# KiCad board Scan_Head_Set-Relay_board.kicad_pcb (continued)
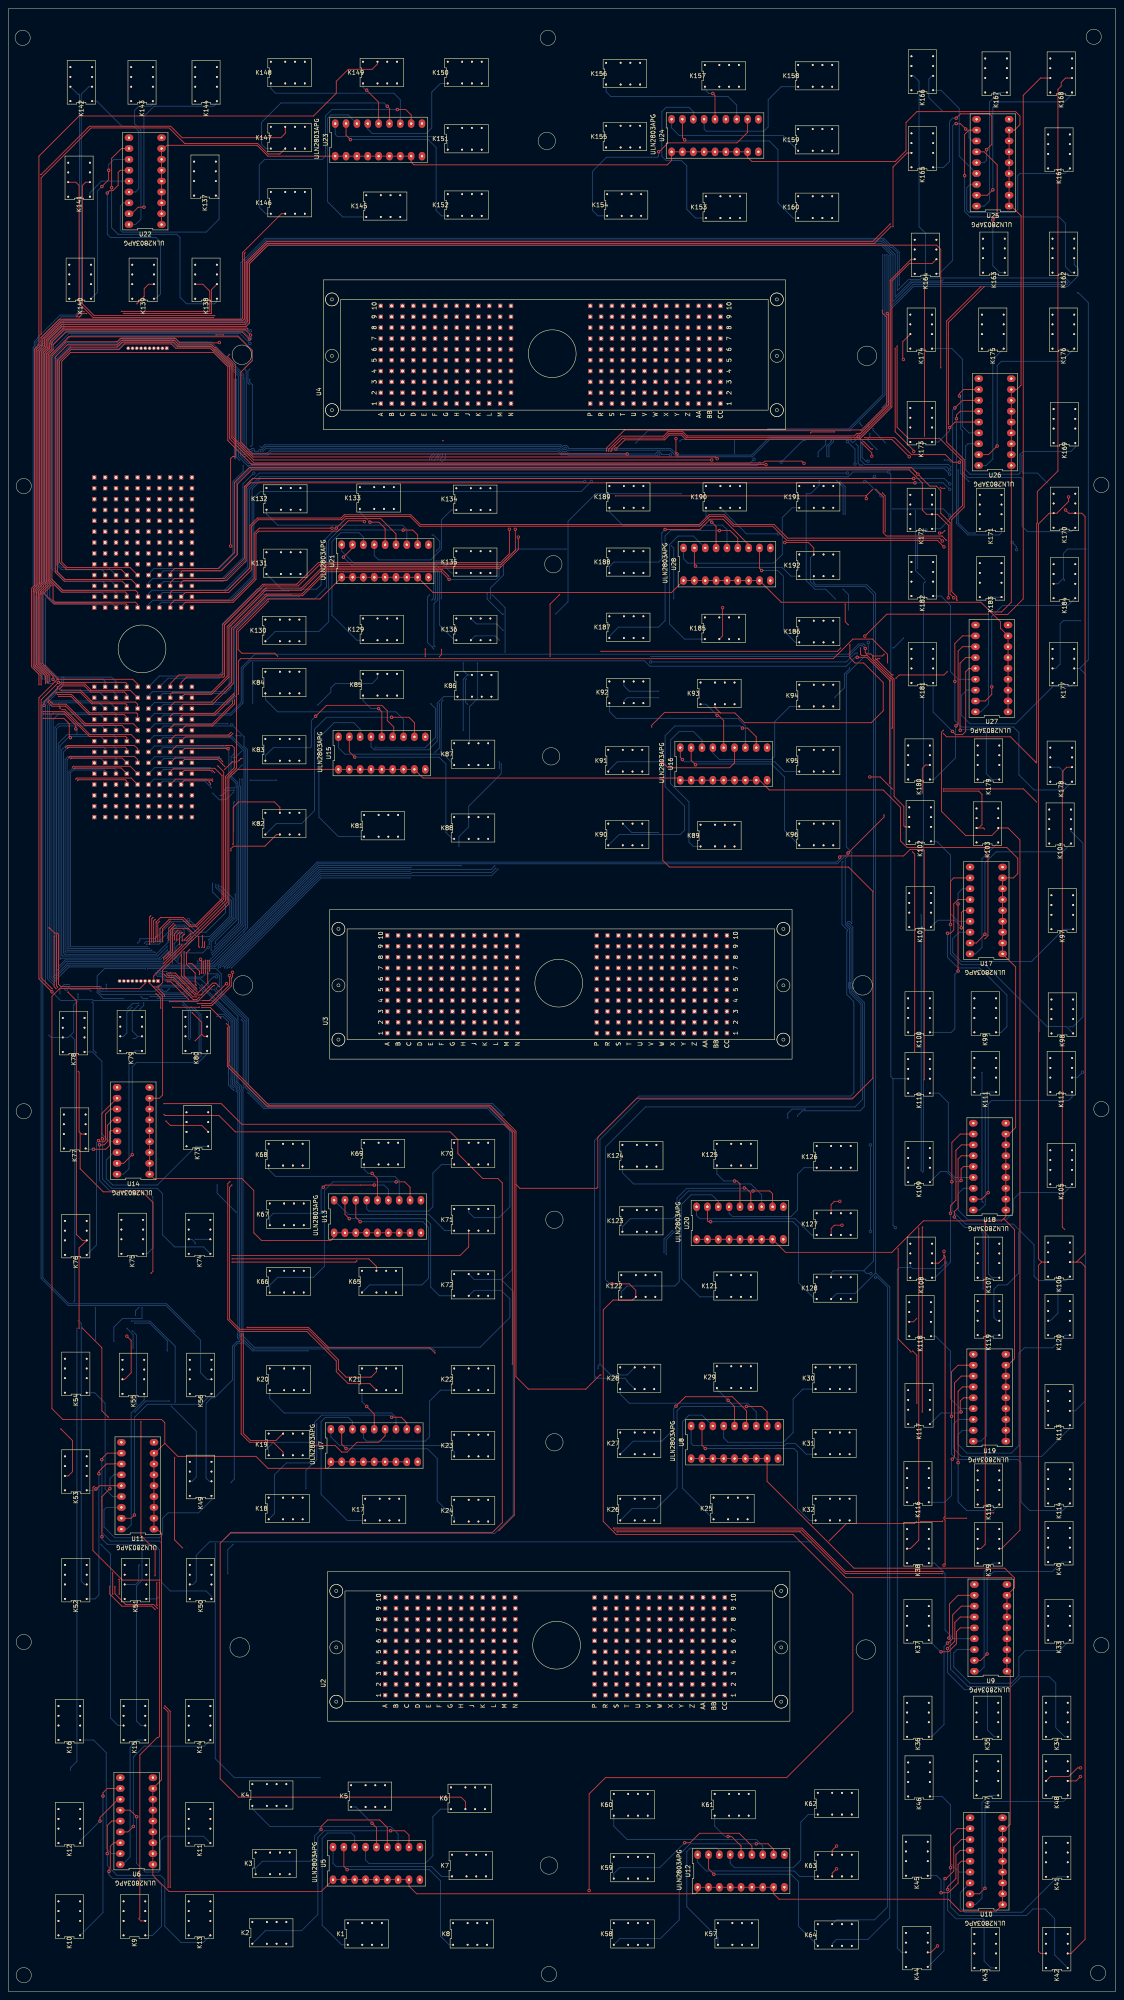
[diagram p0: board, top side]
## Routing (per net, layer and track width the routed paths; a pad name or vN(x,y) marks a point on that pad's centre or on a via; arc(x,y) is an arc through that point) (continued)
IO22: length 518.4
  Top w0.2: v4(52.33,171.45) 84.33,171.45 86.11,169.67 K65.21 ; U1.Z3 39.12,283.72 v7(47.75,283.72)
  +12V w0.2: v1(99.57,301.75) 99.57,292.1 97.54,290.07 73.15,290.07 69.6,286.51 69.6,283.97 56.9,283.97 v1(55.82,285.05) ; v1(37.34,229.87) 36.47,230.74 28.96,230.74 28.91,230.69 21.28,230.69 20.57,231.39 21.84,232.66 21.84,234.96 v1(22.09,235.2) ; v4(52.33,171.45) 49.9,171.45 v1(49.28,172.07)
  AGND w0.2: v1(37.34,229.87) 43.43,229.87 v2(43.62,230.06) ; v1(22.09,235.2) 22.09,235.34 21.78,235.65 15.45,235.65 11.94,239.16 11.94,243.14 16.45,247.65 29.43,247.65 v2(31.79,245.29) ; v2(45.05,218.87) 49.28,214.65 v1(49.28,172.07) 49.25,172.04 49.25,54.38 52.72,50.91 70.25,50.91 72.45,48.71 72.45,18.48 76.96,13.97 80.77,13.97 K1.21 ; v7(47.75,283.72) 47.88,283.72 50.62,280.98 ; K129.21 88.65,319.02 94.23,319.02 98.26,315 98.26,303.06 v1(99.57,301.75) ; 50.62,280.98 50.62,261.18 v2(48.51,259.08) ; 50.62,280.98 50.62,281.07 v2(50.57,281.12) ; v2(52.84,281.69) 52.84,283.37 54.53,285.05 v1(55.82,285.05)
  Bottom w0.2: v2(52.84,281.69) 51.13,281.69 v2(50.57,281.12) ; v2(48.51,259.08) 48.51,258.37 51.78,255.1 51.78,251.61 47.02,246.86 44.03,246.86 41.31,249.57 39.04,249.57 35.23,245.77 35.23,245.69 32.2,245.69 v2(31.79,245.29) ; v2(43.62,230.06) 43.62,229.99 45.05,228.56 v2(45.05,218.87)
IO23: length 617
  Top w0.2: v4(36.38,205.23) 36.62,204.99 49.26,204.99 53.09,201.17 103.38,201.17 105.16,199.39 105.16,196.09 K70.11 111,190.25 114.55,190.25 115.57,189.23 115.57,109.73 113.28,107.44 52.07,107.44 49.53,104.9 49.53,49.78 53.85,45.47 105.92,45.47 106.93,44.45 K6.11 ; v4(97.54,314.2) v4(97.54,312.42)
  +12V w0.2: v1(34.8,224.79) 34.8,206.81 v4(36.38,205.23) ; v1(66.04,284.42) 66.09,284.37 69.09,284.37 69.09,286.57 72.99,290.47 96.92,290.47 98.81,292.35 98.81,300.99 97.54,302.26 v4(97.54,312.42) ; v1(27.94,232.16) v1(35.31,232.16) ; v4(97.54,314.2) 98.3,314.96 98.3,325.37 v1(101.6,328.68)
  AGND w0.2: v2(47.75,259.33) 49.78,261.37 49.78,279.65 v2(49.53,279.91) 49.28,279.91 v2(47.5,281.69) ; v1(35.31,232.16) 35.31,225.3 v1(34.8,224.79) ; v2(62.74,283.46) 63.7,284.42 v1(66.04,284.42) ; K134.11 107.19,345.69 104.9,345.69 101.6,342.39 v1(101.6,328.68) ; 56.57,283.46 v2(56.57,283.46) 55.51,283.46 53.19,281.14 v2(52.84,281.14) ; v2(30.23,245.36) 14.73,245.36 12.45,243.08 12.45,240.79 16.26,236.98 21.59,236.98 v2(22.86,235.71) ; v2(22.86,234.53) 22.86,233.17 23.62,232.41 25.91,232.41 26.67,233.17 26.92,233.17 v1(27.94,232.16)
  Bottom w0.2: v2(56.57,283.46) 56.57,283.46 v2(62.74,283.46) ; v2(52.84,281.14) 51.22,281.14 49.99,279.91 v2(49.53,279.91) ; v2(47.5,281.69) 45.94,283.25 36.11,283.25 U1.Z4 ; v2(22.86,235.71) v2(22.86,234.53) ; v2(47.75,259.33) 47.75,257.3 50.8,254.25 50.8,252.48 46.23,247.9 44.01,247.9 41.56,250.35 38.26,250.35 34.29,246.38 30.73,246.38 30.73,245.87 v2(30.23,245.36)
IO24: length 515.2
  Top w0.2: v8(46.99,283.01) 47.24,282.76 v4(47.24,282.45) ; v4(81.53,171) 81.22,170.69 v4(52.33,170.69)
  +12V w0.2: v1(82.04,172.97) 81.53,172.47 v4(81.53,171) ; v1(56.29,203.96) 56.29,209.71 v1(56.39,209.8) ; v1(35.55,251.98) 35.82,252.25 37.82,252.25 39.49,253.93 41.16,253.93 47.39,260.16 47.39,261.37 47.34,261.42 47.34,282.35 v4(47.24,282.45) ; v1(48.38,114.05) 52.38,118.05 52.38,170.64 v4(52.33,170.69) ; v1(32.77,245.68) 12.5,245.68 11.43,244.6 11.43,238.25 12.95,236.73 21.84,236.73 22.61,235.97 22.61,234.19 23.37,233.43 27.43,233.43 27.8,233.06 35.16,233.06 v1(35.81,232.41)
  AGND w0.2: v1(35.81,232.41) 35.81,230.54 37,229.36 47.53,229.36 48.7,228.19 v2(48.75,228.19) ; v1(56.39,209.8) 55.88,209.8 54.76,210.92 v2(52.71,210.92) ; v1(32.77,245.68) 34.87,245.68 35.57,246.38 35.57,246.89 35.52,246.94 35.52,251.95 v1(35.55,251.98) ; v1(56.29,203.96) 105.41,203.96 107.7,201.68 K70.21 109.47,196.85 115.79,196.85 117.31,195.33 117.31,175.22 115.06,172.97 v1(82.04,172.97) ; v2(48.38,104.77) v1(48.38,114.05) ; v2(72.9,50.04) 110.49,50.04 115.06,45.47 109.22,45.47 K6.21
  Bottom w0.2: v2(72.9,50.04) 52.83,50.04 48.38,54.49 v2(48.38,104.77) ; v2(52.71,210.92) 52.64,210.92 51.5,212.06 51.5,226.88 50.19,228.19 v2(48.75,228.19) ; v8(46.99,283.01) 46.29,283.72 34.04,283.72 U1.Z5
IO41: length 906.4
  Top w0.2: v4(36.38,207.77) 49.78,207.77 54.61,202.95 116.02,202.95 117.91,201.05 v4(117.91,146.81) ; v4(196.53,319.85) 195.83,320.55 v4(195.83,324.67) ; v4(15.74,283.72) 16,283.97 28.7,283.97 U1.Z6 ; v4(33.27,251.72) 33.02,251.47 33.02,245.11 v4(33.02,245.11) ; 166.62,299.21 166.49,299.34 153.55,299.34 150.53,296.33 v4(150.53,295.91) ; 166.62,299.21 169.98,299.21 172.27,296.93 201.93,296.93 204.72,299.72 204.72,306.32 200.15,310.9 198.12,310.9 196.91,312.1 v4(196.91,315.15) ; 166.62,299.21 165.35,300.48 K93.11 ; v4(35.62,230.12) 35.62,232.44 v4(34.54,233.51)
  +12V w0.2: v4(33.02,245.11) 33.02,239.78 32.51,239.27 25.15,239.27 22.86,236.98 22.86,236.47 23.11,236.22 23.11,234.44 23.73,233.83 27.83,233.83 28.19,233.46 34.49,233.46 v4(34.54,233.51) ; v1(137.16,408.24) 137.97,409.05 202.08,409.05 203.67,407.45 203.67,392.55 204.69,391.53 204.69,374.52 v1(194.94,364.78) ; 138.18,143.51 167.89,143.51 169.16,142.24 K29.11 ; 138.18,143.51 138.18,200.66 146.81,209.3 194.56,209.3 195.9,210.64 195.9,248.68 189.13,255.45 154.65,255.45 150.53,259.56 v4(150.53,295.91) ; 138.18,143.51 135.64,140.97 121.16,140.97 117.91,144.21 v4(117.91,146.81) ; v4(195.83,324.67) 195.83,326.9 198.88,329.95 198.88,336.55 195.78,339.66 v1(195.78,339.85) ; v4(196.53,319.85) 196.91,319.47 v4(196.91,315.15) ; v4(15.74,283.72) 15.69,283.67 15.69,252.22 16.21,252.22 16.76,251.67 33.22,251.67 v4(33.27,251.72) ; v4(36.38,207.77) 36.38,222.62 37.7,223.94 37.7,228.49 36.07,230.12 v4(35.62,230.12)
  AGND w0.2: v2(194.66,353.41) 192.03,356.04 191.96,356.04 192.01,356.1 v2(192.01,359.15) ; K157.11 166.37,446.53 164.85,448.06 159.51,448.06 153.67,453.9 138.18,453.9 129.29,445.01 129.29,413.96 135.01,408.24 v1(137.16,408.24) ; v2(193.08,362.93) 193.08,363 194.86,364.78 v1(194.94,364.78) ; v2(195.82,345.69) 195.78,345.64 v1(195.78,339.85)
  Bottom w0.2: v2(193.08,362.93) 193.08,362.69 192.01,361.63 v2(192.01,359.15) ; v2(194.66,353.41) 194.66,353.34 195.82,352.17 v2(195.82,345.69)
IO42: length 850.4
  Top w0.2: v4(193.29,364.99) 187.93,364.99 v4(187.71,364.76) ; v4(36.52,232.92) 36.52,233.16 v4(35.05,234.63) ; v4(16.14,283.37) 16.26,283.48 16.26,283.57 27.32,283.57 27.69,283.21 U1.Z7 ; v4(49.69,227.81) 47.24,230.25 v4(45.21,230.25) ; v4(50.99,226.5) 51.67,225.82 51.67,217.73 51.62,217.68 51.62,216.75 60.96,207.41 112.69,207.41 118.76,201.33 118.76,188.87 ; 118.76,188.87 118.76,143.87 121.67,140.97 135.13,140.97 138.43,144.27 v4(138.63,144.27) ; 118.76,188.87 119.67,187.96 137.67,187.96 137.92,188.21 137.92,199.9 147.07,209.04 197.61,209.04 202.29,213.72 202.29,257.45 196.6,263.14 154.69,263.14 153.12,264.71 v4(153.12,283.46) ; v4(44.65,230.34) 44.63,230.33 v4(38.41,230.33)
  +12V w0.2: v1(13.21,243.08) 12.13,244.16 v1(12.13,244.67) ; v1(155.37,318.56) 153.42,316.61 153.42,308.61 154.18,307.85 163.32,307.85 164.85,306.32 ; v1(168.91,358.45) 169.36,358 176.99,358 177,358.02 180.72,358.02 v3(180.85,357.89) ; 186.98,364.71 187.67,364.71 187.71,364.74 v4(187.71,364.76) ; 186.98,364.71 186.94,364.74 v1(186.94,364.76) ; 186.98,364.71 186.94,364.71 ; v4(153.12,283.46) 153.12,286.22 154.07,287.17 154.07,297.33 155.7,298.96 162.81,298.96 163.58,299.72 163.58,305.05 164.85,306.32 ; v4(50.99,226.5) v4(49.69,227.81) ; v4(45.21,230.25) 44.74,230.25 v4(44.65,230.34) ; v1(16.2,252.67) 16.15,252.67 16.09,252.73 16.09,283.32 v4(16.14,283.37) ; v4(35.05,234.63) 34.87,234.44 23.88,234.44 23.56,234.76 v1(23.56,236.27) ; K29.21 169.16,145.8 167.64,144.27 v4(138.63,144.27) ; 164.85,306.32 K93.21 ; v1(134.8,407.84) 134.85,407.79 137.35,407.79 138.05,408.49 138.05,408.56 138.14,408.65 201.91,408.65 203.27,407.29 203.27,392.38 204.29,391.37 204.29,375.98 v4(193.29,364.99) ; 38.4,230.32 v4(38.41,230.33) 38.41,231.84 37.34,232.92 v4(36.52,232.92)
  AGND w0.2: v2(155.14,338.33) 156.99,340.19 156.99,353.84 161.6,358.45 v1(168.91,358.45) ; v1(13.21,243.08) 13.21,240.79 16.26,237.74 21.84,237.74 23.32,236.27 v1(23.56,236.27) ; v2(186.44,362.96) 186.44,364.25 v1(186.94,364.76) ; v1(12.13,244.67) 12.13,246.01 16.2,250.07 v1(16.2,252.67) ; K157.21 166.37,449.83 165.35,448.82 160.02,448.82 154.54,454.3 138.03,454.3 137.92,454.41 128.78,445.26 128.78,413.86 v1(134.8,407.84) ; v2(155.7,325.94) 155.7,318.9 v1(155.37,318.56)
  Bottom w0.2: v2(186.44,362.96) 185.92,362.96 v3(180.85,357.89) ; v2(155.14,338.33) 155.7,337.76 v2(155.7,325.94)
IO45: length 779.3
  AGND w0.2: v2(152.09,302.77) 193.3,302.77 v2(193.36,302.83) 193.43,302.83 195.04,301.22 195.04,266.16 195.33,265.88 v2(195.33,264.41) ; 204.22,393.45 204.22,403.41 198.54,409.09 135.29,409.09 130.3,414.08 130.3,441.2 137.16,448.06 142.24,448.06 143.26,447.04 K156.11 ; 204.22,393.45 204.16,393.39 204.16,391.1 207.44,387.82 207.44,373.17 206.23,371.95 203.32,371.95 196.6,365.23 194.74,365.23 192.53,363.02 192.53,362.97 ; 204.22,393.45 204.22,393.37 ; v2(32.51,244.54) 32.57,244.48 v2(32.57,239.33) ; v2(137.16,143.51) 134.77,141.12 121.41,141.12 118.91,143.62 118.91,202.17 v2(115.97,205.11) ; v2(193.8,353.63) 191.52,355.91 v2(191.52,359.21) ; v2(196.85,309.88) 196.85,323.09 v2(196.6,323.34) ; v2(195.33,328.17) v2(195.33,345.75)
  Bottom w0.2: v2(32.51,244.54) 32.46,244.49 14.52,244.49 14.52,285.22 15.15,285.86 22.44,285.86 22.61,285.69 U1.Y9 ; 137.41,143.76 v2(137.16,143.51) ; 137.41,143.76 137.16,144.02 137.16,199.14 147.57,209.55 197.1,209.55 197.87,210.31 197.87,230.83 197.84,230.86 197.84,231.68 196.19,233.33 196.19,248 196.34,248.16 196.34,248.41 195.07,249.68 195.07,264.16 v2(195.33,264.41) ; 137.41,143.76 137.67,143.51 144.27,143.51 144.78,143 144.78,142.75 K28.11 ; 34.74,239.38 32.62,239.38 v2(32.57,239.33) ; v2(192.53,362.96) 192.53,362.97 192.53,362.71 191.52,361.7 v2(191.52,359.21) ; v2(193.8,353.63) 195.33,352.1 v2(195.33,345.75) ; K92.11 144.02,302.01 144.78,302.77 v2(152.09,302.77) ; v2(193.36,302.83) 195.69,305.16 195.69,308.36 196.85,309.52 v2(196.85,309.88) ; v2(195.33,328.17) 196.6,326.9 v2(196.6,323.34) ; 34.8,239.38 48.52,239.38 49.78,238.11 49.78,233.99 56.17,227.6 56.17,212.09 60.45,207.81 113.27,207.81 v2(115.97,205.11)
IO46: length 796
  AGND w0.2: v2(33.02,244.11) 33.02,239.01 34.17,237.87 v2(34.58,237.87) ; v2(37.9,236.45) v2(37.9,238.51) ; v2(189.74,353.57) 189.74,358.96 v2(189.48,359.21) ; v2(193.55,325.88) 193.8,325.88 196.09,323.6 196.09,306.58 193.8,304.29 192.53,304.29 ; v2(115.51,204.91) 118.51,201.91 118.51,143.36 121.16,140.72 135.64,140.72 138.03,143.11 138.03,145.75 v2(137.98,145.8) ; 192.53,304.29 v2(152.09,304.29) ; 192.53,304.29 195.58,301.24 195.58,266.19 v2(196.24,265.54) ; K156.21 142.51,450.61 138.7,450.61 129.79,441.7 129.79,414.02 135.13,408.69 198.37,408.69 203.82,403.24 203.82,393.61 203.76,393.55 203.76,390.94 207.01,387.68 207.01,376.21 196.43,365.63 194.43,365.63 191.77,362.96 v2(191.26,362.96)
  Bottom w0.2: v2(137.98,145.8) 137.98,146.36 138.43,146.81 ; v2(191.26,362.96) 191.26,362.01 189.48,360.23 v2(189.48,359.21) ; 138.43,146.81 138.43,199.39 147.83,208.79 197.36,208.79 199.5,210.93 199.5,231.07 196.81,233.76 196.81,234.51 196.78,234.54 196.78,234.76 196.73,234.81 196.73,234.85 196.72,234.85 196.72,235.15 196.72,235.15 196.69,235.18 196.69,235.32 196.69,235.33 196.69,235.35 196.67,235.45 196.69,235.47 196.69,235.52 196.71,235.53 196.71,235.56 196.7,235.56 196.7,235.75 196.7,235.76 196.7,235.79 196.7,235.89 196.71,235.9 196.71,235.9 196.72,235.92 196.72,235.93 196.73,235.94 196.73,236.15 196.77,236.19 196.78,236.3 196.81,236.32 196.81,248.65 195.84,249.62 195.84,265.14 v2(196.24,265.54) ; 138.43,146.81 140.97,144.27 144.78,144.27 K28.21 ; v2(37.9,238.51) 37.9,238.36 38.88,237.38 45.12,237.38 45.24,237.26 46.13,238.15 48.92,238.15 49.33,237.74 49.33,235.52 48.51,234.7 55.77,227.44 55.77,211.75 60.11,207.41 113.01,207.41 v2(115.51,204.91) ; v2(189.74,353.57) 189.74,352.51 187.74,350.52 186.69,350.52 186.69,330.2 188.72,328.17 191.26,328.17 v2(193.55,325.88) ; v2(34.58,237.87) 34.96,237.49 35.76,237.49 36.13,237.12 36.13,237.05 36.73,236.45 v2(37.9,236.45) ; K92.21 144.02,305.56 145.29,304.29 v2(152.09,304.29) ; U1.Y8 25.15,285.75 24.64,286.26 14.99,286.26 14.12,285.39 14.12,244.09 33.01,244.09 v2(33.02,244.11)
IO47: length 774
  Top w0.2: v9(52.41,238.52) 52.41,237.45 52.13,237.18 52.13,235.46 52.13,235.26 47.61,230.75 v4(45.21,230.75) ; v4(37.23,236.28) 38.01,236.28 v4(42.14,232.16) ; v4(15.34,286.18) 15.48,286.33 26.35,286.33 U1.Y7 ; v4(33.47,245.63) 33.51,245.66 33.51,251.05 v4(33.78,251.32)
  +12V w0.2: v1(169.93,358.45) v6(169.93,359.92) ; v4(45.21,230.75) 44.84,230.75 44.7,230.89 v1(44.7,231.39) ; v4(15.34,286.18) 15.29,286.14 15.29,251.71 15.81,251.71 16.26,251.27 33.73,251.27 v4(33.78,251.32) ; v4(37.23,236.28) 36.64,236.28 33.47,239.45 v4(33.47,245.63) ; v1(138.42,312.06) 139.46,311.01 147.71,311.01 v1(147.83,310.9) ; v4(42.14,232.16) v1(42.14,231.39)
  AGND w0.2: v2(169.93,363.16) 172.47,365.7 v2(177.8,365.7) ; K154.11 143.51,416.31 144.27,417.07 193.95,417.07 v2(204.61,406.4) ; v2(128.08,322.39) 128.15,322.39 138.42,312.12 v1(138.42,312.06) ; v2(182.37,204.38) 182.32,204.43 163.4,204.43 156.25,197.28 156.25,179.94 155.84,179.53 155.84,177.8 v2(155.77,177.73) ; v9(52.41,238.52) 52.14,238.79 v2(52.14,239.53) ; 44.96,231.39 46.14,231.39 v2(48.85,228.68) ; 44.96,231.39 44.7,231.39 v1(44.7,231.39) ; 44.96,231.39 v1(42.14,231.39) ; K26.11 146.56,110.74 147.83,112.01 152.15,112.01 154.18,114.05 154.18,114.81 153.67,115.32 154.14,115.79 154.14,172.25 v2(153.92,172.47) ; 143.76,269.24 144.53,270 149.86,270 150.84,269.02 150.84,259.76 154.61,255.99 188.7,255.99 196.16,248.54 196.16,232.93 199.46,229.63 199.46,207.93 198.08,206.55 v2(186.44,206.55) ; 143.76,269.24 K90.11 143.76,267.46 136.91,260.6 v2(93.98,260.6) ; 143.76,269.24 141.73,271.27 141.73,273.81 142.24,274.32 144.21,274.32 150.34,280.44 150.34,309.4 148.84,310.9 v1(147.83,310.9) ; v2(157.48,350.52) 162.52,350.52 169.93,357.93 v1(169.93,358.45)
  Bottom w0.2: 62.23,249.68 62.21,249.7 ; 62.23,249.68 73.15,260.6 v2(93.98,260.6) ; 62.23,249.68 62.23,249.62 v2(52.14,239.53) ; v2(157.48,350.52) 137.41,350.52 130.95,344.05 130.95,325.26 v2(128.08,322.39) ; v2(155.77,177.73) 153.92,175.89 v2(153.92,172.47) ; v2(186.44,206.55) 186.39,206.5 183.39,206.5 182.37,205.49 v2(182.37,204.38) ; v2(169.93,363.16) 169.93,359.96 ; 52.76,211.37 52.04,212.08 52.04,213.56 52.09,213.61 52.09,227 50.41,228.68 v2(48.85,228.68) ; v2(204.61,406.4) 204.61,373.7 196.62,365.7 v2(177.8,365.7)
IO48: length 878.3
  Top w0.2: v4(128.96,326.9) 126.75,324.68 v4(126.75,312.48) ; v4(14.94,286.51) 15.16,286.73 28.49,286.73 U1.Y6 ; v4(34.29,250.87) 33.96,250.54 v4(33.96,245.52) ; v4(44.61,232.69) 44.07,232.16 43.2,232.16 38.63,236.73 v4(36.83,236.73) ; v4(114.81,107.89) 118.36,111.45 118.36,201.17 112.52,207.01 60.71,207.01 51.22,216.5 v4(51.22,225.55)
  +12V w0.2: v4(34.29,250.87) 15.99,250.87 15.59,251.27 14.89,251.27 14.89,286.46 v4(14.94,286.51) ; v4(114.81,107.89) 114.86,107.84 140.29,107.84 v1(141.19,108.74) ; v4(51.22,225.55) 51.18,225.55 44.61,232.13 v4(44.61,232.69) ; v1(146.05,358.05) 145.8,358.31 v1(145.8,360.17) ; v4(128.96,326.9) 128.96,330.19 132.55,333.77 134.62,333.77 134.62,336.59 141.44,343.41 150.37,343.41 151.87,344.91 151.87,354.08 150.16,355.79 v10(146.81,355.79) ; v1(148.59,311.46) 140.26,311.46 139.19,312.53 126.8,312.53 v4(126.75,312.48) ; v4(33.96,245.52) 33.96,239.6 v4(36.83,236.73)
  AGND w0.2: v1(148.59,311.46) 148.98,311.46 150.31,310.13 150.84,310.13 150.84,280.38 K90.21 ; v10(146.81,355.79) 146.81,357.29 v1(146.05,358.05) ; v2(205.11,406.38) 205.11,414.14 200.66,418.59 144.53,418.59 143.51,419.61 K154.21 ; v2(184.66,204.78) 184.61,204.83 163.23,204.83 155.85,197.45 155.85,180.43 155.39,179.97 v2(155.39,178.05) ; v1(145.8,360.17) 145.8,361.38 v2(146.81,362.4) ; v2(196.69,249.97) 196.62,249.97 189.4,257.19 155.11,257.19 152.09,260.21 v2(152.09,271.21) ; v1(141.19,108.74) 141.19,112.23 144.27,115.32 K26.21 147.83,114.05 151.64,114.05 153.42,115.82 v2(153.42,172.97)
  Bottom w0.2: v2(155.39,178.05) 153.42,176.08 v2(153.42,172.97) ; v2(184.66,204.78) 184.66,204.98 185.78,206.1 199.3,206.1 200.3,207.1 200.3,231.4 197.61,234.09 197.61,234.78 197.59,234.87 197.58,234.87 197.57,234.9 197.56,234.94 197.57,234.94 197.53,235.18 197.52,235.18 197.52,235.22 197.52,235.25 197.52,235.26 197.51,235.5 197.51,235.5 197.51,235.54 197.51,235.57 197.51,235.58 197.54,235.82 197.53,235.82 197.54,235.86 197.55,235.89 197.55,235.89 197.61,236.15 197.61,249.05 v2(196.69,249.97) ; K90.21 145.85,271.21 v2(152.09,271.21) ; v2(205.11,406.38) 205.11,373.63 197.1,365.62 197.1,365.25 149.66,365.25 v2(146.81,362.4)
IO49: length 730.1
  Top w0.2: v4(14.14,288.8) 14.4,289.05 29.46,289.05 30.23,288.29 U1.X6 ; v4(37.65,231.65) 44.2,231.65 47.94,235.39 v4(48.2,235.39)
  +12V w0.2: v1(102.36,362.44) 125.75,362.44 125.8,362.39 125.8,362.45 128.66,365.31 158.66,365.31 159.66,364.31 195.16,364.31 205.09,374.24 205.09,391.7 204.07,392.72 204.07,408.07 202.69,409.45 114.55,409.45 112.01,411.99 112.01,426.21 107.19,431.04 K151.11 ; v1(26.92,231.59) 26.98,231.65 v4(37.65,231.65) ; 46.55,236.92 47.05,236.41 47.18,236.41 v4(48.2,235.39) ; v4(14.14,288.8) 14.09,288.75 14.09,250.7 14.37,250.42 v1(15.24,250.42)
  AGND w0.2: v2(22.1,234.53) 22.1,232.16 22.71,231.54 26.87,231.54 v1(26.92,231.59) ; v2(107.44,301.24) 108.71,299.97 108.71,288.54 ; v2(107.12,307.15) 107.12,309.44 106.01,310.55 103.97,310.55 v2(99.82,314.71) ; v2(100.37,332.07) 101.12,332.82 101.12,357.86 101.26,357.86 v2(101.45,358.04) ; v2(105.92,263.46) 113.09,263.46 116.59,266.95 116.59,285.24 113.28,288.54 108.71,288.54 ; v2(49.08,239.45) v2(45.24,235.61) ; v2(102.24,359.9) 102.24,362.32 v1(102.36,362.44) ; v2(99.82,149.92) 100.84,148.9 100.84,131.32 106.93,125.22 K23.11 ; K87.11 107.7,287.53 108.71,288.54 ; v2(21.59,235.2) 15.33,235.2 11,239.53 10.93,239.53 10.92,239.54 10.92,245.36 15.49,249.94 15.24,250.19 v1(15.24,250.42)
  Bottom w0.2: v2(102.24,359.9) 102.24,358.84 v2(101.45,358.04) ; v2(99.82,314.71) 99.57,314.96 99.57,324.8 100.44,325.67 100.44,332 v2(100.37,332.07) ; v2(21.59,235.2) 21.59,235.04 v2(22.1,234.53) ; v2(107.44,301.24) 106.93,301.75 106.93,306.96 v2(107.12,307.15) ; v2(99.82,149.92) 99.37,150.37 57.45,150.37 57.4,150.32 57.26,150.32 54.36,153.22 54.36,153.36 54.41,153.42 54.41,153.6 54.46,153.65 54.46,210.65 54.08,211.04 54.08,211.74 53.24,212.58 53.24,212.91 53.29,212.96 53.29,227.49 45.24,235.54 v2(45.24,235.61) ; v2(49.08,239.45) 49.08,240.03 72.56,263.51 105.87,263.51 v2(105.92,263.46)
IO50: length 703.4
  Top w0.2: v4(99.82,149.41) 98.61,150.62 74.99,150.62 70.19,155.42 v4(55.84,155.42) ; v4(45.2,244.35) 45.41,244.55 v4(45.41,247.08) ; U1.X7 26.56,288.65 14.7,288.65 v4(14.54,288.49) ; v4(139.95,360.48) 139.95,361.19 144.2,365.44 199.46,365.44 199.56,365.34 205.56,371.34 205.56,391.85 205.49,391.92 205.43,391.92 204.52,392.83 v4(204.52,393.45) ; v4(35.31,250.42) 34.94,250.05 v4(34.94,245.68) ; v4(46.58,241.3) 46.62,241.26 v4(46.62,238.55) 46.62,235.98 44.25,233.61 43.76,233.61 39.04,238.33 v4(37.49,238.33)
  +12V w0.2: K151.21 108.46,433.83 113.03,433.83 113.03,412.24 115.32,409.96 203.2,409.96 204.52,408.64 v4(204.52,393.45) ; v4(55.84,155.42) 55.84,229.26 46.62,238.48 v4(46.62,238.55) ; K23.21 105.92,128.52 102.87,128.52 99.82,131.57 v4(99.82,149.41) ; v4(34.94,245.68) 34.94,239.77 35.63,239.08 36.9,239.08 36.9,238.93 v4(37.49,238.33) ; v1(54.67,279.15) 54.67,255.72 54.72,255.67 46.12,247.08 v4(45.41,247.08) ; v4(139.95,360.48) 139.95,359.02 139.31,358.37 138.41,358.37 137.92,357.89 137.33,357.89 137.22,357.78 137.22,357.69 136.91,357.38 136.09,357.38 v1(135.89,357.57) ; v4(46.58,241.3) 46.58,242.66 45.2,244.03 v4(45.2,244.35) ; v4(14.54,288.49) 14.49,288.44 14.49,250.95 14.57,250.87 15.43,250.87 15.88,250.42 v4(35.31,250.42) ; v1(131.53,343.45) 127.85,339.78 121.48,339.78 121.3,339.6 121.3,335.37 114.97,329.04 104.25,329.04 102.3,327.09 v1(102.3,325.94)
  AGND w0.2: v1(102.3,325.94) 101.93,325.94 100.8,324.81 100.73,324.81 100.73,315.13 104.45,311.4 104.55,311.4 104.55,311.4 109.22,311.4 v2(109.73,310.9) ; v1(54.67,279.15) 54.67,280.22 56.13,281.69 67.58,281.69 70.13,284.24 70.13,285.21 74.59,289.67 98.21,289.67 98.58,290.04 ; K87.21 106.43,290.83 99.37,290.83 98.58,290.04 ; v1(131.53,343.45) 131.53,354.28 132.84,355.6 134.65,355.6 134.94,355.9 135.43,355.9 135.89,356.36 v1(135.89,357.57) ; 98.58,290.04 98.61,290.07
  Bottom w0.2: K87.21 107.89,292.3 107.89,300.68 109.73,302.51 v2(109.73,310.9)
IO51: length 607.7
  +12V w0.2: v1(98.61,340.9) 99.02,340.9 99.57,340.36 99.57,332.16 v1(99.66,332.07) ; v1(98.55,364.31) 98.5,364.26 61.98,364.26 61.98,378.43 v1(60.79,379.62)
  AGND w0.2: v1(98.61,340.9) 98.56,340.95 v2(98.56,358.45) ; v1(99.66,332.07) 99.66,327.95 v2(98.55,326.84) ; v1(60.79,379.62) 60.57,379.84 60.57,380.12 60.78,380.34 60.78,388.51 58.39,390.91 58.39,409.52 60.45,411.59 103.49,411.59 106.17,414.27 K152.11 ; v2(101.66,302.2) 99.51,304.35 v2(99.51,314.2) ; v2(34.29,243.17) 33.93,242.8 33.93,239.24 34.01,239.16 34.31,239.16 34.7,238.77 v2(34.79,238.77) ; v2(49.54,239.64) 49.54,239.28 48.68,238.41 48.61,238.41 47.62,237.43 47.62,235.65 47.63,235.64 47.63,235.27 47.58,235.22 v2(47.58,234.41) 47.58,232.71 54.1,226.2 54.1,213.36 60.45,207.01 112.78,207.01 118.11,201.68 118.11,113.79 116.08,111.76 109.47,111.76 K24.11 ; v2(99.43,359.9) 99.5,359.97 99.5,361.95 98.55,362.9 v1(98.55,364.31) ; v2(94.23,263.06) 103.04,263.06 107.7,267.72 K88.11 107.44,269.75 99.57,277.62 99.57,289.05 100.58,290.07 v2(101.09,290.07)
  Bottom w0.2: v2(99.51,314.2) 99.29,314.42 99.29,314.68 99.26,314.71 99.06,314.71 98.04,315.72 98.04,326.33 v2(98.55,326.84) ; v2(34.29,243.17) 34.2,243.26 13.28,243.26 13.25,243.29 13.25,288.33 13.97,289.05 24.89,289.05 25.15,288.8 U1.X8 ; v2(101.09,290.07) 101.24,290.21 101.24,295.66 101.32,295.74 101.32,301.85 v2(101.66,302.2) ; v2(99.43,359.9) 98.56,359.03 v2(98.56,358.45) ; v2(34.79,238.77) 34.97,238.95 35.4,238.95 35.66,238.69 37.01,238.69 38.72,236.98 44.96,236.98 47.53,234.41 v2(47.58,234.41) ; v2(94.23,263.06) 72.73,263.06 72.7,263.09 49.54,239.93 v2(49.54,239.64)
IO52: length 454.6
  Top w0.2: v4(47.08,241.3) 47.07,241.29 v4(47.07,238.81) ; v4(45.75,244.27) 45.86,244.37 v4(45.86,245.61)
  +12V w0.2: 48.07,237.81 48.42,237.45 v3(48.63,237.45) ; 48.07,237.81 56.24,229.63 56.24,210.71 60.39,206.56 v1(60.45,206.56) ; 48.07,237.81 v4(47.07,238.81) ; v4(47.08,241.3) 47.08,242.73 45.72,244.09 45.75,244.13 v4(45.75,244.27) ; v1(55.69,266.13) 55.52,265.96 55.52,255.27 v4(45.86,245.61)
  AGND w0.2: v2(115.32,287.27) 115.32,323.4 v2(112.78,325.94) ; v2(46.8,235.78) 45.94,234.91 v2(44.67,234.91) ; v2(33.53,243.71) 33.53,239.07 34.25,238.35 v2(34.32,238.35) ; K24.21 107.7,113.79 109.22,112.27 115.82,112.27 117.71,114.15 117.71,201.51 112.62,206.6 112.58,206.56 v1(60.45,206.56) ; v2(36.58,237.24) 36.58,235.02 38.63,232.96 45,232.96 v2(45.21,233.17) ; v2(105.41,267.97) 104.9,267.46 57.02,267.46 v1(55.69,266.13)
  Bottom w0.2: v2(36.58,237.24) 35.92,237.89 35.19,237.89 34.76,238.32 34.39,238.32 34.37,238.3 v2(34.32,238.35) ; U1.X9 21.48,288.65 14.14,288.65 13.72,288.23 13.72,243.66 33.48,243.66 v2(33.53,243.71) ; v2(45.21,233.17) 45.47,233.43 45.47,234.12 v2(44.67,234.91) ; v2(112.78,325.94) 112.78,328.42 115.82,331.47 115.82,333.95 ; v3(48.63,237.45) 47.97,237.45 46.8,236.28 v2(46.8,235.78) ; v2(115.32,287.27) 115.32,284.99 107.7,277.37 K88.21 107.7,272.54 105.41,270.26 v2(105.41,267.97)
IO53: length 547.8
  Top w0.2: v4(101.35,314.08) 101.35,312.87 v4(100.84,312.36)
  +12V w0.2: v1(60.45,379.21) 60.59,379.21 61.47,378.33 61.47,363.98 61.58,363.86 v1(99.31,363.86) ; K81.11 86.61,270.76 88.14,272.29 92.46,272.29 100.84,280.67 v4(100.84,312.36) ; v4(101.35,314.08) 101.85,314.59 v1(101.85,326.84)
  AGND w0.2: v2(72.14,132.84) 72.14,147.89 v2(70.1,149.92) ; v2(35.21,238.5) 35.54,238.84 v2(35.54,243.6) ; v1(99.31,363.86) 99.31,363.01 99.9,362.42 v2(99.9,359.72) ; v2(40.7,245.87) 40.65,245.92 37.39,245.92 v2(37.34,245.97) ; K81.11 84.33,267.97 56.9,267.97 54.38,265.46 54.38,256.31 44.53,246.46 v2(42.49,246.46) ; v2(99.06,358.39) 99.06,340.96 v2(99.15,340.87) ; v2(69.6,117.66) 69.6,117.6 75.44,111.76 86.11,111.76 86.87,111 K17.11 ; v2(102.81,333.44) 102.36,332.99 102.36,327.35 v1(101.85,326.84) ; v1(60.45,379.21) 60.15,379.52 60.15,380.27 60.38,380.5 60.38,388.26 57.99,390.65 57.99,409.72 60.35,412.09 60.45,411.99 83.82,411.99 K145.11 ; v2(100.13,337.09) 100.13,334.83 v2(100.08,334.77)
  Bottom w0.2: v2(102.81,333.44) 101.47,334.77 v2(100.08,334.77) ; v2(99.06,358.39) 99.06,358.88 v2(99.9,359.72) ; v2(100.13,337.09) 100.95,337.9 100.95,339.34 99.42,340.87 v2(99.15,340.87) ; v2(72.14,132.84) 72.14,124.46 69.6,121.92 v2(69.6,117.66) ; v2(35.21,238.5) 35.43,238.29 36.09,238.29 36.69,237.69 36.73,237.72 37.36,237.72 38.61,236.47 43.75,236.47 52.89,227.33 52.89,213.13 52.84,213.08 52.84,212.42 53.68,211.58 53.68,210.87 54.06,210.49 54.06,153.82 54.01,153.77 54.01,153.58 53.96,153.52 53.96,153.05 57.09,149.92 v2(70.1,149.92) ; v2(35.54,243.6) 35.49,243.66 ; 35.49,243.66 34.54,242.72 13.21,242.72 12.85,243.08 12.85,290.07 13.97,291.19 22.24,291.19 22.61,290.83 U1.W9 ; 35.49,243.66 37.34,245.51 v2(37.34,245.97) ; v2(40.7,245.87) 42.16,245.87 42.49,246.2 v2(42.49,246.46)
